# Altium PCB LOGI-BONE.PcbDoc (part 2 of 4) (continued)
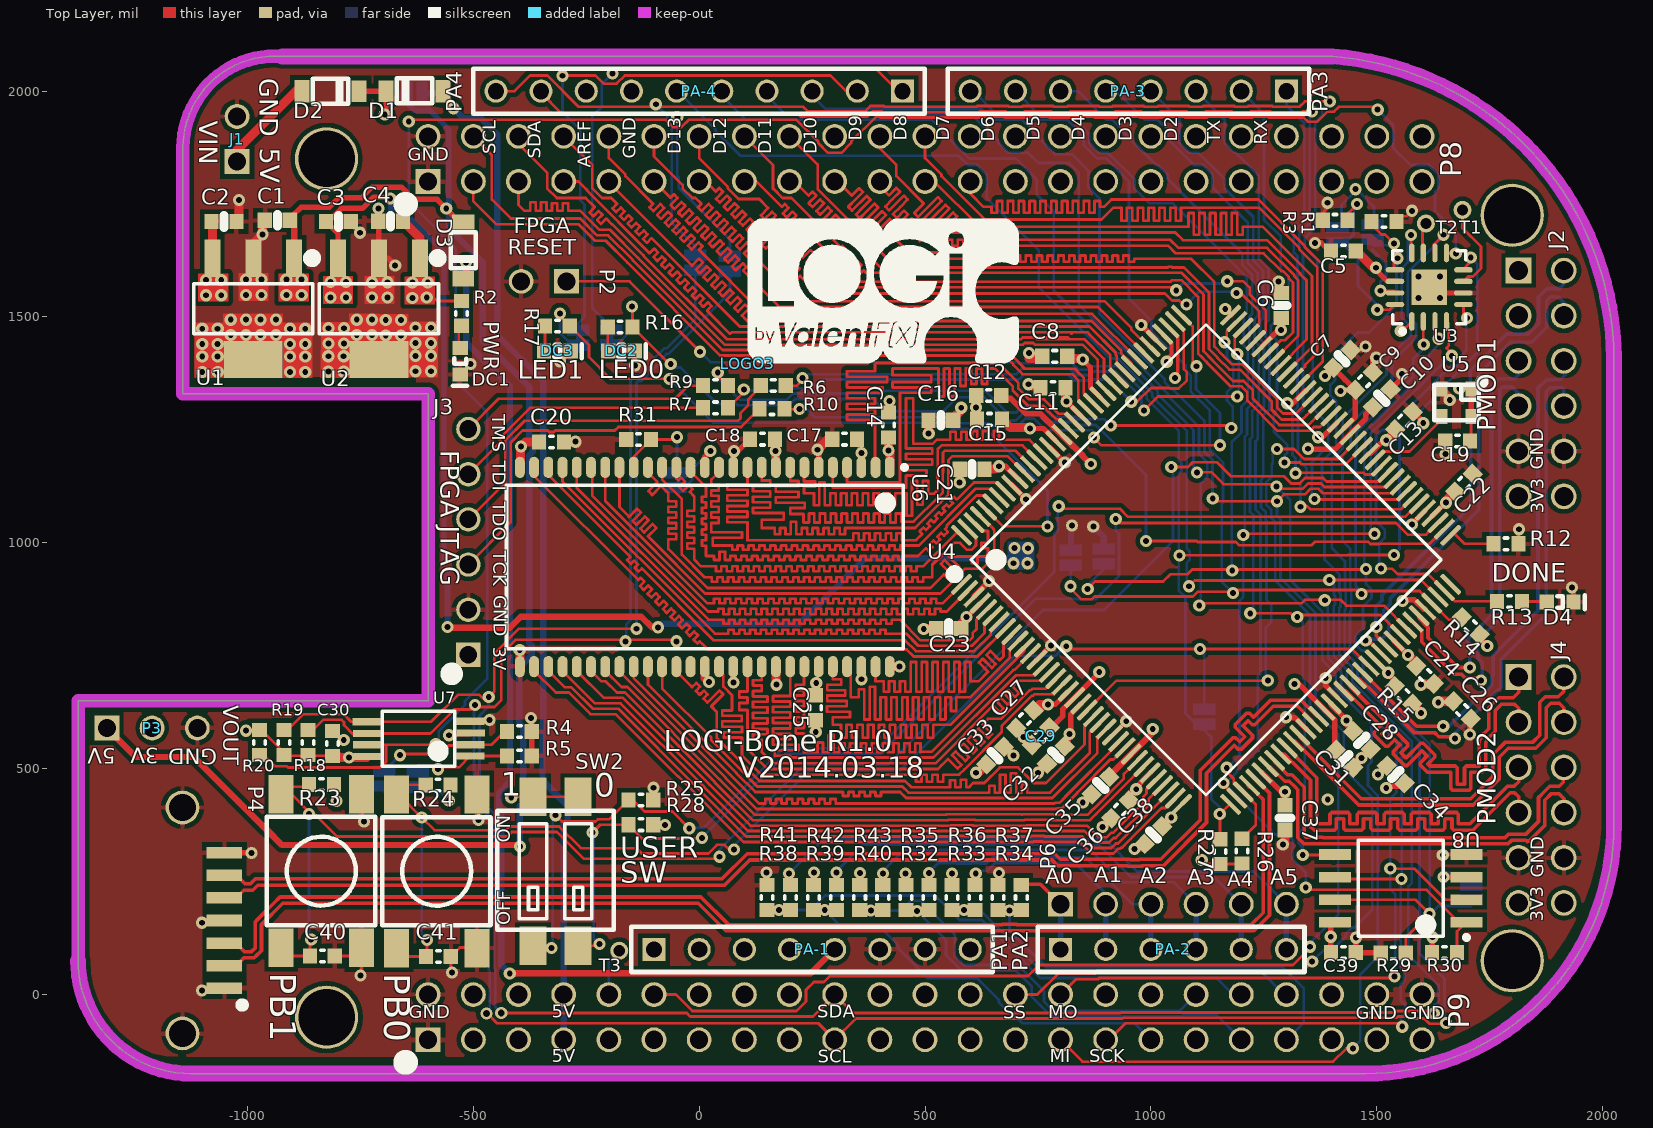
[diagram p0: Top Layer view]
## Nets (pads, with @x,y where several pads share a name; then routed paths per layer and width w, separated by ;. In a path a pad name is that pad's centre, name@x,y a point inside that pad or via, vN(x,y) a via of type N, cw(c..) or ccw(c..) an arc to the next point about the centre after c; other vN are vias at no path point) (continued)
GPMC_AD12: P8.12 U4.114 | length 2302.8
  Top Layer w6: P8.12@-100,1900 -100,1855.55 -36.5,1792.05 -36.5,1784.88 -15.12,1763.5 -7.95,1763.5 4.78,1750.77 -3,1742.99 5.48,1734.51 21.04,1750.06 29.52,1741.58 13.97,1726.02 22.45,1717.54 30.23,1725.32 38.01,1733.09 46.5,1724.61 38.72,1716.83 30.94,1709.05 39.42,1700.57 47.2,1708.35 54.98,1716.12 63.47,1707.64 47.91,1692.08 56.39,1683.6 71.95,1699.15 80.44,1690.67 72.66,1682.89 64.88,1675.11 73.37,1666.63 81.14,1674.4 88.92,1682.18 97.41,1673.7 89.63,1665.92 81.85,1658.14 90.34,1649.66 105.89,1665.21 114.38,1656.73 98.82,1641.17 107.31,1632.69 122.86,1648.24 131.35,1639.76 123.57,1631.98 115.79,1624.2 124.28,1615.71 132.06,1623.49 220.55,1535 ; 869.81,1535 220.55,1535 ; U4.114@998.24,1434.41 994.48,1434.41 956.21,1472.68 956.21,1476.44 897.65,1535 220.55,1535
GPMC_AD13: P8.11 U4.115 | length 3184.9
  Top Layer w6: P8.11@-100,1800 -63.97,1763.97 -56.2,1771.75 -47.71,1763.27 -63.27,1747.71 -54.78,1739.23 -39.23,1754.78 -30.74,1746.3 -46.3,1730.74 -37.81,1722.26 -30.03,1730.03 -22.26,1737.81 -13.77,1729.33 -21.55,1721.55 -29.33,1713.77 -20.84,1705.28 -13.06,1713.06 -5.28,1720.84 3.2,1712.36 -12.36,1696.8 -3.87,1688.31 11.69,1703.87 20.17,1695.39 12.39,1687.61 4.61,1679.83 13.1,1671.34 20.88,1679.12 28.66,1686.9 37.14,1678.41 29.36,1670.64 21.59,1662.86 30.07,1654.37 45.63,1669.93 54.11,1661.44 38.56,1645.89 47.04,1637.4 62.6,1652.96 71.08,1644.47 63.3,1636.7 55.53,1628.92 64.01,1620.43 71.79,1628.21 79.57,1635.99 88.05,1627.5 72.5,1611.95 80.98,1603.46 96.54,1619.02 105.02,1610.53 97.25,1602.75 178,1522 ; 854.97,1522 178,1522 ; 178,1522 882.81,1522 ; 178,1522 882.81,1522 ; 882.81,1522 U4.115@984.32,1420.49 882.81,1522
GPMC_AD14: P8.16 U4.93 | length 1739.4
  Top Layer w6: P8.16@100,1900 163.5,1836.5 163.5,1783.82 164.56,1782.77 165.61,1782.77 184.88,1763.5 203.92,1763.5 313.45,1653.97 316.99,1657.5 325.48,1649.02 321.94,1645.48 318.4,1641.95 326.89,1633.46 333.96,1640.53 342.45,1632.05 335.38,1624.98 343.86,1616.49 347.4,1620.03 350.93,1623.56 359.42,1615.08 355.88,1611.54 352.35,1608.01 360.83,1599.52 364.37,1603.06 369.69,1597.73 1068.24,1597.73 1116.5,1549.47 1116.5,1424.29 1135.5,1405.29 1135.5,1404.74 1181.74,1358.5 1205.29,1358.5 1225.5,1338.29 1225.5,1319.74 1284.24,1261 1348.38,1261 1382.6,1295.22 U4.93@1385.2,1295.22
GPMC_AD15: P8.15 U4.92 | length 1755.3
  Top Layer w6: P8.15@100,1800 127,1800 183.17,1743.83 189.53,1750.19 198.02,1741.71 191.66,1735.34 185.29,1728.98 193.78,1720.5 206.5,1733.22 214.99,1724.74 208.63,1718.37 202.26,1712.01 210.75,1703.52 217.11,1709.89 223.48,1716.25 231.96,1707.77 225.6,1701.4 219.23,1695.04 227.72,1686.55 234.08,1692.92 240.45,1699.28 248.93,1690.8 242.57,1684.43 349,1578 1043.18,1578 1046.68,1581.5 1067.5,1581.5 1104.5,1544.5 1104.5,1418.77 1109.77,1413.5 1110.32,1413.5 1123.5,1400.32 1123.5,1399.77 1176.77,1346.5 1200.32,1346.5 1213.5,1333.32 1213.5,1314.77 1280.27,1248 1352.35,1248 1360.68,1256.33 1374.15,1256.33 U4.92@1399.12,1281.3
GPMC_ADVN: P8.7 U4.119 | length 2489.1
  Top Layer w6: P8.7@-300,1800 -267,1800 -248.5,1781.5 -248.5,1779.91 -109.76,1641.17 -99.55,1651.37 -91.07,1642.89 -101.27,1632.68 -92.79,1624.2 -82.58,1634.4 -74.1,1625.92 -84.3,1615.71 -75.82,1607.23 -65.61,1617.43 -57.13,1608.95 -67.33,1598.74 -58.85,1590.26 -48.64,1600.46 -40.15,1591.98 -50.36,1581.77 -41.88,1573.29 -31.67,1583.49 -23.18,1575.01 -33.39,1564.8 -24.9,1556.32 -14.7,1566.52 -6.21,1558.04 -16.42,1547.83 -7.93,1539.34 2.27,1549.55 10.76,1541.07 0.55,1530.86 9.04,1522.37 19.24,1532.58 27.73,1524.09 17.52,1513.89 ; 824.62,1462.73 820.85,1466.5 72.44,1466.5 ; U4.119@928.64,1364.81 910.22,1383.24 910.22,1415.86 863.35,1462.73 859.58,1466.5 72.44,1466.5 ; 17.52,1513.89 68.68,1462.73 ; 17.52,1513.89 24.21,1507.21 68.68,1462.73 ; 68.68,1462.73 72.44,1466.5
GPMC_BE0N: P8.9 U4.117 | length 3710.9
  Top Layer w6: P8.9@-200,1800 -200,1797.86 -15.78,1613.64 -0.22,1629.19 8.27,1620.71 -7.29,1605.15 1.19,1596.67 16.75,1612.22 25.24,1603.74 9.68,1588.18 18.16,1579.7 33.72,1595.25 42.21,1586.77 26.65,1571.21 35.14,1562.73 50.69,1578.28 59.18,1569.8 43.62,1554.24 ; 830,1491.36 112.5,1491.36 ; 43.62,1554.24 52.11,1545.75 ; 43.62,1554.24 52.11,1545.75 ; 43.62,1554.24 52.11,1545.75 ; 52.11,1545.75 67.66,1561.31 ; 52.11,1545.75 67.66,1561.31 ; 52.11,1545.75 67.66,1561.31 ; 60.59,1537.27 69.08,1528.78 ; 60.59,1537.27 76.15,1552.83 ; 60.59,1537.27 76.15,1552.83 ; 60.59,1537.27 69.08,1528.78 ; 60.59,1537.27 76.15,1552.83 ; 60.59,1537.27 69.08,1528.78 ; 67.66,1561.31 76.15,1552.83 ; 67.66,1561.31 76.15,1552.83 ; 67.66,1561.31 76.15,1552.83 ; 69.08,1528.78 84.63,1544.34 ; 69.08,1528.78 84.63,1544.34 ; 69.08,1528.78 84.63,1544.34 ; 77.56,1520.3 86.05,1511.81 ; 77.56,1520.3 93.12,1535.86 ; 77.56,1520.3 93.12,1535.86 ; 77.56,1520.3 86.05,1511.81 ; 77.56,1520.3 93.12,1535.86 ; 77.56,1520.3 86.05,1511.81 ; 84.63,1544.34 93.12,1535.86 ; 84.63,1544.34 93.12,1535.86 ; 84.63,1544.34 93.12,1535.86 ; 86.05,1511.81 101.6,1527.37 ; 86.05,1511.81 101.6,1527.37 ; 86.05,1511.81 101.6,1527.37 ; 94.53,1503.33 106.5,1491.36 ; 94.53,1503.33 110.09,1518.88 ; 94.53,1503.33 110.09,1518.88 ; 94.53,1503.33 103.02,1494.84 ; 94.53,1503.33 110.09,1518.88 ; 94.53,1503.33 103.02,1494.84 ; 101.6,1527.37 110.09,1518.88 ; 101.6,1527.37 110.09,1518.88 ; 101.6,1527.37 110.09,1518.88 ; 103.02,1494.84 106.5,1491.36 ; 103.02,1494.84 106.5,1491.36 ; 106.5,1491.36 112.5,1491.36 ; 106.5,1491.36 112.5,1491.36 ; 106.5,1491.36 112.5,1491.36 ; 110,1491.36 112.5,1491.36 ; 110,1491.36 868.66,1491.36 ; 110,1491.36 868.66,1491.36 ; 868.66,1491.36 934.22,1425.8 ; 868.66,1491.36 934.22,1425.8 ; 934.22,1420.48 934.22,1425.8 ; 934.22,1420.48 U4.117@956.48,1398.22 ; 934.22,1420.48 934.22,1425.8 ; 934.22,1420.48 U4.117@956.48,1398.22 ; U4.117@956.48,1398.22 U4.117@956.48,1392.65 U4.117@956.48,1398.22
GPMC_BE1N: P9.12 U4.88 | length 2948.7
  Top Layer w6: P9.12@-100,0 -51.62,0 -15.12,-36.5 215.12,-36.5 236.5,-15.12 236.5,10.68 253.82,28 276.18,28 289.18,41 727.48,41 751.98,65.5 1314.29,65.5 1352,103.21 v2(1352,106) ; v2(1279,1208) 1316.51,1208 1338.68,1185.83 1415.01,1185.83 U4.88@1454.8,1225.62
  Bottom Layer w6: v2(1279,1208) 1279,1205.69 1269.23,1195.92 1269.83,1195.32 1269.83,1176.04 1267.5,1173.71 1267.5,1146.32 1255.5,1134.32 1255.5,1083.68 1266.5,1072.68 1266.5,1055.2 1275,1046.7 1275,917.24 1352.4,839.84 1352.4,701.77 1352.4,638.81 1415,576.21 1415,177 1388.68,150.68 1388.68,150.5 1352,113.82 v2(1352,106)
GPMC_CLK: P8.18 U4.95 | length 1889.4
  Top Layer w6: P8.18@200,1900 262.32,1837.68 262.32,1783.58 416.9,1629 675,1629 675,1636 687,1636 687,1622 699,1622 699,1636 711,1636 711,1622 723,1622 723,1636 735,1636 735,1622 747,1622 747,1636 759,1636 759,1622 771,1622 771,1636 783,1636 783,1622 795,1622 795,1636 807,1636 807,1622 819,1622 819,1636 831,1636 831,1622 843,1622 843,1636 855,1636 855,1622 867,1622 867,1636 879,1636 879,1622 891,1622 891,1636 903,1636 903,1622 915,1622 915,1636 927,1636 927,1622 939,1622 939,1636 951,1636 951,1622 963,1622 963,1629 1089,1629 1140.5,1577.5 1140.5,1434.23 1159.5,1415.23 1159.5,1414.68 1178.68,1395.5 1202.23,1395.5 1279.5,1318.23 1279.5,1299.68 1292.68,1286.5 1320.8,1286.5 U4.95@1357.36,1323.06
GPMC_CSN1: P8.21 U4.101 | length 1683.4
  Top Layer w6: P8.21@400,1800 400,1789.33 419.91,1769.42 436.17,1785.69 444.66,1777.2 428.39,1760.94 412.13,1744.67 420.62,1736.19 453.14,1768.72 461.63,1760.23 445.36,1743.97 429.1,1727.7 437.59,1719.22 453.85,1735.48 462.33,1727 446.07,1710.73 454.56,1702.25 470.82,1718.51 479.31,1710.03 463.04,1693.76 471.53,1685.28 487.79,1701.54 496.28,1693.06 480.01,1676.79 488.5,1668.31 504.76,1684.57 518.33,1671 536.33,1671 536.33,1657 548.33,1657 548.33,1671 560.33,1671 560.33,1657 572.33,1657 572.33,1671 584.33,1671 584.33,1657 596.33,1657 596.33,1671 608.33,1671 608.33,1657 620.33,1657 620.33,1671 632.33,1671 632.33,1657 644.33,1657 644.33,1671 1042.72,1671 1060.72,1653 1257.46,1653 1317.32,1593.15 1317.32,1590.29 1326.37,1581.24 1326.37,1458.93 1301.17,1433.73 1301.01,1433.73 U4.101@1273.84,1406.57
GPMC_OEN: P8.8 U4.118 | length 2423.8
  Top Layer w6: P8.8@-300,1900 -236.5,1836.5 -236.5,1784.88 -215.12,1763.5 -194.71,1763.5 -181.98,1750.77 -192.19,1740.57 -183.7,1732.08 -173.5,1742.29 -165.01,1733.8 -175.22,1723.6 -166.73,1715.11 -156.53,1725.32 -148.04,1716.83 -158.25,1706.63 -149.76,1698.14 -139.55,1708.35 -131.07,1699.86 -141.28,1689.65 -132.79,1681.17 -122.58,1691.38 -114.1,1682.89 -124.3,1672.68 -115.82,1664.2 -105.61,1674.4 89.79,1479 ; 825.32,1479 89.79,1479 ; 89.79,1479 864.05,1479 922.22,1420.83 922.22,1415.51 924.14,1413.59 ; 924.14,1413.59 924.14,1397.86 942.56,1379.44 U4.118@942.56,1378.73 924.14,1397.15 924.14,1413.59
GPMC_WE1N: P8.10 U4.116 | length 3235.3
  Top Layer w6: P8.10@-200,1900 -200,1851.62 -163.5,1815.12 -163.5,1811.88 -102.27,1750.65 -110.05,1742.88 -101.56,1734.39 -86.01,1749.95 -77.52,1741.46 -93.08,1725.9 -84.59,1717.42 -76.82,1725.2 -69.04,1732.98 -60.55,1724.49 -68.33,1716.71 -76.11,1708.93 -67.62,1700.45 -59.85,1708.23 -52.07,1716.01 -43.58,1707.52 -59.14,1691.96 -50.65,1683.48 -35.1,1699.03 -26.61,1690.55 -34.39,1682.77 -42.17,1674.99 -33.68,1666.51 -25.9,1674.29 -18.13,1682.06 -9.64,1673.58 -17.42,1665.8 -25.2,1658.02 -16.71,1649.54 -1.16,1665.09 7.33,1656.61 -0.45,1648.83 141.38,1507 ; 837,1507 141.38,1507 ; 141.38,1507 869.99,1507 ; 141.38,1507 869.99,1507 ; 869.99,1507 U4.116@970.4,1406.57 869.99,1507
LED0: JP12.1 R17.2 U4.140 | length 1589.4
  Top Layer w6: v2(-308,1508) -308,1501.56 R17.2@-286.44,1480 -244,1437.56 -244,1411 -196,1363 v2(-66,1363) ; U4.140@636.33,1072.51 672.35,1036.49 v2(771,1036.49)
  Bottom Layer w6: v2(-308,1508) -308,1465 JP12.1@-268,1425 ; v2(-66,1363) 31,1266 547.24,1266 560.74,1252.5 634.5,1252.5 771,1116 v2(771,1036.49)
LED1: JP9.1 R16.2 U4.74 | length 2314.9
  Top Layer w6: v2(-149,1523) -147.44,1521.44 R16.2@-147.44,1478 -65.44,1396 v2(-63,1396) ; v2(989,1004) 1101.81,1004 1103.82,1001.99 1188.19,1001.99 1195.18,995 1356,995 1363.5,1002.5 1480.68,1002.5 1485.68,997.5 1504.32,997.5 1504.82,998 1616.92,998 U4.74@1649.67,1030.75
  Bottom Layer w6: JP9.1@-195,1426 -148,1473 -148,1522 v2(-149,1523) ; v2(-63,1396) -55,1388 -41,1388 39,1308 81.41,1308 84.52,1304.89 199.07,1304.89 212.68,1318.5 384.68,1318.5 411.68,1291.5 540.68,1291.5 571.68,1322.5 630.5,1322.5 682,1271 701.21,1271 717.71,1287.5 746.29,1287.5 766.41,1267.38 826.8,1267.38 833.18,1261 877.82,1261 894.64,1244.18 895,1244.18 989,1150.18 v2(989,1004)
NetD2_2: D2.2 J1.1 | length 209.9
  Top Layer w20: J1.1@-1023,1844 -1023,1869.99 D2.2@-892.99,2000
NetD3_1: D3.1 PA-1.A5 | length 2419.4
  Top Layer w14: D3.1@-522,1584.73 -516,1590.73 v2(-516,1621) ; v2(-419.5,47) 247,47 PA-1.A5@300,100
  Bottom Layer w14: v2(-516,1621) -516,1443.48 -419,1346.48 -419,1226.09 -421.11,1223.98 -421.11,1202.02 -419,1199.91 -419,778.54 -423.87,773.68 -423.87,751.72 -419,746.86 -419,470.48 -442.5,446.98 -442.5,411.89 -437.9,407.3 -437.9,65.4 v2(-419.5,47)
NetD4_A: D4.A R13.2 | length 55.3
  Top Layer w6: R13.2@1821.56,870 1875.47,870 D4.A@1876.47,869
NetDC1_A: DC1.A R2.2 | length 49.3
  Top Layer w6: DC1.A@-533,1431.53 -532,1432.53 R2.2@-532,1480.44
NetDC2_A: DC2.A R16.1 | length 53.4
  Top Layer w6: R16.1@-202.56,1478 -202.56,1426.03 DC2.A@-201.53,1425
NetDC3_A: DC3.A R17.1 | length 55.8
  Top Layer w6: DC3.A@-343.53,1425 -341.56,1426.97 R17.1@-341.56,1480
NetJ3_3: J3.3 R10.1 | length 893.3
  Top Layer w6: J3.3@-511,952 -417.11,1045.89 -417.11,1222.32 -390.7,1248.73 -335.08,1248.73 -331.97,1245.62 -322.03,1245.62 -318.92,1248.73 -186.86,1248.73 -179.09,1256.5 92.94,1256.5 R10.1@133.44,1297
NetJ3_4: J3.4 R6.1 | length 852.5
  Top Layer w6: J3.4@-511,1052 -429.11,1133.89 -429.11,1227.29 -386.14,1270.27 86.04,1270.27 91.31,1275.54 91.31,1287.61 108.69,1305 108.69,1317.46 113.96,1322.73 136.44,1345.21 R6.1@136.44,1348 ; R6.1@128.84,1343.4 130.34,1341.9 R6.1@134.44,1337.79 ; R6.1@131.62,1350 R6.1@135.44,1350
NetJ3_5: J3.5 R7.1 | length 586.4
  Top Layer w6: J3.5@-511,1152 -441.11,1221.89 -441.11,1232.26 -374.37,1299 R7.1@8.44,1299
NetJ3_6: J3.6 R9.1 | length 583.2
  Top Layer w6: J3.6@-522,1245 J3.6@-505,1228 ; J3.6@-511,1252 -444,1319 -53,1319 -24,1348 R9.1@8.44,1348
NetJP1_1: JP1.1 R1.1 U3.15 | length 274.3
  Top Layer w6: R1.1@1489.44,1718 1489.44,1703.56 1510.22,1682.78 1518.22,1682.78 v2(1538,1663) ; v1(1508,1558) 1537,1558 U3.15@1542,1553
  Bottom Layer w6: JP1.1@1490,1650 1490,1648.82 1520.5,1618.32 1520.5,1590.5 1508,1578 v1(1508,1558) ; JP1.1@1491,1659 1534,1659 v2(1538,1663)
NetJP2_1: JP2.1 R3.1 U3.16 | length 371.1
  Top Layer w6: R3.1@1424.56,1718 1456,1749.44 v1(1456,1750) ; v1(1501,1516) 1528,1516 U3.16@1540,1528
  Bottom Layer w6: JP2.1@1422,1660.93 JP2.1@1425.57,1660.93 ; v1(1456,1750) 1449,1743 1449,1683.12 1426.81,1660.93 JP2.1@1425.57,1660.93 ; v1(1501,1516) 1501,1526.18 1458.5,1568.68 1458.5,1628 JP2.1@1425.57,1660.93
NetJP7_2: JP7.2 R31.2 U6.19 | length 204.6
  Top Layer w6: U6.19@-145.01,1167.02 -145.01,1190.26 R31.2@-106.44,1228.83 -54.17,1228.83 v2(-49,1234)
  Bottom Layer w6: JP7.2@-52,1168 -49,1171 v2(-49,1234)
NetJP9_2: JP9.2 PA-4.D1 | length 1249.7
  Top Layer w6: v2(-192,2039) -183.5,2047.5 392.5,2047.5 PA-4.D1@440,2000
  Bottom Layer w6: JP9.2@-195,1484 -201,1484 -237,1520 -237,1944 -215.5,1965.5 -215.5,2015.5 v2(-192,2039)
NetJP12_2: JP12.2 PA-4.D2 | length 1268.4
  Top Layer w6: v2(-302.49,2034) -301.99,2034.5 -229.47,2034.5 -211.47,2016.5 -182.68,2016.5 -164.68,2034.5 290.5,2034.5 325,2000 PA-4.D2@340,2000
  Bottom Layer w6: v2(-302.49,2034) -302.49,1954.11 -263.5,1915.12 -263.5,1758.63 -254,1749.13 -254,1500 JP12.2@-284,1470
NetP6_1: P6.1 PA-2.B1 R34.2 | length 205.5
  Top Layer w8: R34.2@713,244.56 755.44,244.56 P6.1@800,200
  Bottom Layer w12: PA-2.B1@800,100 P6.1@800,200
NetP6_2: P6.2 PA-2.B2 R33.2 | length 475.5
  Top Layer w6: R33.2@610.82,242.56 612.15,243.9 v2(612.15,268)
  Bottom Layer w6: v2(612.15,268) 618.15,274 637,274 654.5,291.5 832.5,291.5 900,224 P6.2@900,200
  Bottom Layer w12: PA-2.B2@900,100 P6.2@900,200
NetP6_3: P6.3 PA-2.B3 R32.2 | length 650.5
  Bottom Layer w6: v2(508.64,269) 508.64,271 528.14,290.5 569.05,290.5 569.55,290 602.33,290 602.83,290.5 621.47,290.5 621.97,290 636.03,290 649.53,303.5 855.5,303.5 959,200 P6.3@1000,200
  Bottom Layer w12: PA-2.B3@1000,100 P6.3@1000,200
NetP6_4: P6.4 PA-2.B4 R40.2 | length 867.7
  Bottom Layer w6: v2(407,268) 407,273.92 453.08,320 866,320 937.5,248.5 1051.5,248.5 P6.4@1100,200
  Bottom Layer w12: PA-2.B4@1100,100 P6.4@1100,200
NetP6_5: P6.5 PA-2.B5 R39.2 | length 1078.1
  Bottom Layer w6: v2(304,270) 304,273 363,332 884,332 955.5,260.5 1139.5,260.5 P6.5@1200,200
  Bottom Layer w12: PA-2.B5@1200,100 P6.5@1200,200
NetP6_6: P6.6 PA-2.B6 R38.2 | length 1292.1
  Bottom Layer w6: v2(199,268) 275,344 898,344 969.5,272.5 1227.5,272.5 P6.6@1300,200
  Bottom Layer w12: PA-2.B6@1300,100 P6.6@1300,200
NetP9_10: P9.10 T3.1 | length 106.5
  Bottom Layer w6: P9.10@-200,0 -200,74 T3.1@-177,97
NetPA-3_C2: PA-3.C2 U4.87 | length 1097.4
  Top Layer w6: v2(1296,1178) 1329.54,1178 ; 1328.29,1179.26 1329.54,1178 ; U4.87@1468.72,1211.7 1430.85,1173.83 1333.71,1173.83 1329.54,1178
  Bottom Layer w6: PA-3.C2@1200,2000 1250.5,1949.5 1250.5,1715 1287.5,1678 1287.5,1605.99 1305.32,1588.18 1305.32,1520.32 1271.5,1486.5 ; 1271.59,1486.41 1265.5,1480.32 1265.5,1461.68 1280,1447.18 1280,1409 ; 1279,1409 1279,1295.33 1272,1288.33 1272,1246.82 1301.5,1217.32 1301.5,1198.68 1296,1193.18 v2(1296,1178)
NetR12_2: R12.2 U4.73 | length 123.7
  Top Layer w6: U4.73@1674.97,1028.21 U4.73@1663.59,1016.83 1669.28,1022.52 1693.8,998 R12.2@1758.64,998
NetT1_1: T1.1 U3.7 | length 197.1
  Top Layer w6: T1.1@1689.79,1737 1689.79,1696.54 1730.5,1655.82 1730.5,1607.26 1712.73,1589.48 1702.47,1589.48 U3.7@1691.79,1578.8
NetT2_1: T2.1 U3.11 | length 60.8
  Top Layer w6: U3.11@1601.2,1641.79 T2.1@1601.2,1702.59
OSC_FPGA: U4.85 U5.3 | length 190.7
  Top Layer w6: U4.85@1496.55,1183.86 1514.97,1202.28 1572.1,1202.28 1644.04,1274.22 U5.3@1644.04,1280.01
PB0: C40.1 PB1.B R23.2 U4.83 | length 3446.8
  Top Layer w6: PB1.B@-925.4,443.32 -908.43,460.28 R23.2@-865.52,460.28 ; PB1.B@-912.73,453.73 -859,400 -852,400 -802,350 -425,350 -415,360 -314.94,360 -255.44,300.5 40.5,300.5 v2(45,305) ; PB1.B@-905.15,85.32 C40.1@-861.71,85.32 v1@-861.71,118.29 ; v2(1045,1168) 1082.18,1168 1092.68,1178.5 1146.2,1178.5 1177.2,1147.5 1294.68,1147.5 1310.68,1131.5 1329.32,1131.5 1341.32,1143.5 1381.26,1143.5 1388.76,1136 1504.37,1136 U4.83@1524.39,1156.02
  Bottom Layer w6: v1(-864,400) -864,126 v1@-859,121 ; v2(45,305) 44,306 44,320 233,509 418.18,509 760.65,851.47 896.05,851.47 1049,1004.42 1049,1168 v2(1045,1168)
  other v1: -859,122
PB1: C41.1 JP5.1 PB0.B R24.2 U4.59 | length 3009.3
  Top Layer w6: PB0.B@-666.4,104.38 -646.4,84.38 C41.1@-604.96,84.38 -602.69,86.64 v1(-602.69,121) ; PB0.B@-666.4,443.32 PB0.B@-665.87,443.85 ; R24.2@-605.49,464.38 -645.34,464.38 PB0.B@-665.87,443.85 ; v2(77,321) 66.5,321 56,331.5 39.29,331.5 20.29,312.5 -127.1,312.5 -138.62,324.01 -261.99,324.01 -309.97,372 -419.97,372 -428.09,363.88 -585.9,363.88 v1(-614.27,392.25) PB0.B@-665.87,443.85 ; v2(812.45,771) 818.45,765 v2(1109,765) 1444.94,765 U4.59@1482.64,727.3
  Bottom Layer w6: v1(-614.27,392.25) -614.27,132.57 v1(-602.69,121) ; v2(77,321) 77,330 243,496 444.23,496 698.27,750.05 788.34,750.05 809.29,771 v2(812.45,771) ; v2(1109,765) 1118,756 JP5.1@1118,644
PMOD1_1_2_LVDS8_N: J2.2 U4.111 | length 1150.3
  Top Layer w8: U4.111@1045.62,1469.43 1059.5,1455.55 1059.5,1377.5 1054,1372 1057,1369 v2@1052,1364
  VDD w8: v2@1052,1364 1057,1369 1054,1372 1059.31,1372 1082.81,1348.5 1117.19,1348.5 1123.57,1354.88 1339.34,1354.88 1361.7,1377.24 1361.7,1378.91 1375.47,1392.68 1394.93,1392.68 1428.11,1359.5 1429.48,1359.5 1436.67,1352.31 1500,1352.31 1516.19,1368.5 1517.27,1368.5 1546.27,1397.5 1598.35,1397.5 1641.35,1354.5 1662.13,1354.5 1672.81,1365.18 1692.28,1365.18 1696.8,1360.66 1704.65,1368.5 1705.96,1368.5 1754,1416.54 1754,1528 1767,1541 1806.23,1541 1814,1533.23 J2.2@1814,1502.81
  other v2: 1053,1365
PMOD1_1_2_LVDS8_P: J2.1 U4.112 | length 1118.1
  Top Layer w8: U4.112@1026.08,1462.25 1045.5,1442.83 1045.5,1417.37 1035,1406.87 v2(1035,1401)
  VDD w8: v2(1035,1401) 1043.5,1392.5 1064.39,1392.5 1080.5,1376.39 1080.5,1376.27 1090.27,1366.5 1109.73,1366.5 1116.12,1372.88 1330.21,1372.88 1368.01,1410.68 1402.39,1410.68 1410.57,1402.5 1411.94,1402.5 1444.13,1370.31 1492.54,1370.31 1521.92,1399.69 1523,1399.69 1538.81,1415.5 1605.81,1415.5 1648.81,1372.5 1654.67,1372.5 1665.35,1383.18 1693.87,1383.18 1697.19,1386.5 1698.5,1386.5 1736,1424 1736,1535.46 1759.54,1559 1802.44,1559 1814,1570.56 J2.1@1814,1602.81
PMOD1_3_4_LVDS7_N: J2.4 U4.66 | length 962.2
  Top Layer w8: U4.66@1580.07,824.74 1599.49,805.32 1599.49,780.99 1671.74,708.74 1688.02,708.74 1696.27,700.5 1725.5,700.5 v2@1728,698
  Bottom Layer w8: v2@1728,698 1733.5,703.5 1733.5,735.39 1724,744.89 1724,758.93 1721.16,761.77 1721.16,781.23 1772,832.07 1772,1338.54 1778.46,1345 1799.75,1345 1814,1330.75 J2.4@1814,1302.81
  other v2: 1731,695
PMOD1_3_4_LVDS7_P: J2.3 U4.67 | length 922.4
  Top Layer w8: U4.67@1593.99,838.66 1593.99,831.92 1613.49,812.42 1613.49,790.01 1679.5,724 v2(1706,724)
  Bottom Layer w8: v2(1706,724) 1706,751.47 1703.16,754.31 1703.16,788.69 1754,839.53 1754,1346 1771,1363 1805,1363 1814,1372 J2.3@1814,1402.81
PMOD1_7_8_LVDS1_A_N: J2.8 U4.61 | length 1112.2
  Top Layer w8: v2(1475.39,784.06) 1474.17,784.06 1472,786.24 1479.38,786.24 U4.61@1510.47,755.14
  Bottom Layer w8: v2(1475.39,784.06) 1477.83,786.5 1510.39,786.5 1526.5,802.61 1526.5,825.39 1515.32,836.57 1515.32,850.66 1529.5,864.84 1529.5,877.04 1726,1073.54 1726,1305.09 1734.72,1313.81 1734.72,1348.19 1727,1355.91 1727,1375.74 1795.51,1444.25 1842.83,1444.25 1876,1477.42 1876,1535.95 1885.05,1545 1901,1545 1914,1532 J2.8@1914,1502.81
PMOD1_7_8_LVDS1_A_P: J2.7 U4.62 | length 1071.6
  Top Layer w8: v2(1499,814) 1499,813.01 1498.89,812.89 1498.89,794.57 U4.62@1524.39,769.06
  Bottom Layer w8: v2@1498.89,814 1498.89,812.89 1499,813.01 v2(1499,814) 1497.32,815.68 1497.32,858.12 1511.5,872.3 1511.5,884.5 1708,1081 1708,1312.54 1716.72,1321.27 1716.72,1340.73 1706.88,1350.57 1706.88,1379.94 1709,1382.06 1709,1383.2 1788.06,1462.25 1835.38,1462.25 1858,1484.87 1858,1543.41 1877.59,1563 1904.53,1563 1913,1571.47 1913,1601.81 J2.7@1914,1602.81
PMOD1_9_10_LVDS2_B_N: J2.10 U4.57 | length 1206
  Top Layer w8: U4.57@1454.8,699.47 1461.53,699.47 1480.95,680.05 1482.26,680.05 1582.3,580 1627.77,580 1637.27,570.5 1669.5,570.5 v2(1673,567)
  Bottom Layer w8: v2(1673,567) 1673,578.31 1775.5,680.81 1775.5,742.5 1875,842 1875,1335.29 1883.08,1343.37 1899.37,1343.37 1899.74,1343 1911,1343 1914,1340 J2.10@1914,1302.81
PMOD1_9_10_LVDS2_B_P: J2.9 U4.58 | length 1145.1
  Top Layer w8: U4.58@1468.72,713.39 1588.1,594 v2(1647,594)
  Bottom Layer w8: v2(1647,594) 1660.09,594 1737.59,671.5 1740.73,671.5 1754.5,685.27 1754.5,703.96 1757.5,706.96 1757.5,749.96 1857,849.46 1857,1342.75 1875.63,1361.37 1891.92,1361.37 1892.54,1362 1907,1362 1917,1372
PMOD2_1_2_LVDS6_N: J4.2 U4.55 | length 835.2
  Top Layer w8: U4.55@1426.96,671.63 1432.61,671.63 1508.87,595.37 1494.09,580.59 1494.09,574.79 1519.4,549.48 1525.2,549.48 1539.98,564.26 1551.29,552.94 1536.52,538.16 1536.52,532.37 1561.83,507.05 1567.63,507.05 1600.08,539.51 1611.4,528.19 1596.62,513.42 1596.62,507.62 1612.24,492 1664.14,492 1664.14,456.1 1668.24,452 1704.04,452 1708.14,456.1 1708.14,492 1732.8,492 1741,500.2 1741,557.97 1743.5,560.47 1743.5,564.5 1762,583 1762,629 1776,643 1805,643 1814,634 J4.2@1814,602.81
PMOD2_1_2_LVDS6_P: J4.1 U4.56 | length 826.6
  Top Layer w8: U4.56@1440.88,685.55 1440.88,683.16 1525.77,598.27 1525.77,592.47 1510.99,577.69 1522.3,566.38 1537.08,581.16 1542.88,581.16 1568.19,555.84 1568.19,550.04 1553.42,535.27 1564.73,523.95 1597.19,556.41 1602.98,556.41 1628.3,531.09 1628.3,525.29 1613.52,510.52 1618.04,506 1674.04,506 1678.14,501.9 1678.14,466 1694.14,466 1694.14,501.9 1698.24,506 1727,506 1727,563.77 1729.5,566.27 1729.5,570.3 1748,588.8 1748,634.8 1770.2,657 1802,657 1814,669 J4.1@1814,702.81
PMOD2_3_4_LVDS5_N: J4.4 U4.45 | length 955
  Top Layer w8: U4.45@1287.76,532.43 1294.5,532.43 1313.92,513.01 1314.54,513.01 1353.35,474.2 1353.35,372.2 1361.55,364 1406.4,364 1410.5,368.1 1410.5,389 1426.5,389 1426.5,368.1 1430.6,364 1466.4,364 1470.5,368.1 1470.5,389 1486.5,389 1486.5,368.1 1490.6,364 1526.4,364 1530.5,368.1 1530.5,389 1546.5,389 1546.5,368.1 1550.6,364 1586.4,364 1590.5,368.1 1590.5,389 1606.5,389 1606.5,368.1 1610.6,364 1646.4,364 1650.5,368.1 1650.5,389 1666.5,389 1666.5,368.1 1670.6,364 1712.15,364 1795.15,447 1804.94,447 1814,437.94 J4.4@1814,402.81
PMOD2_3_4_LVDS5_P: J4.3 U4.46 | length 938.5
  Top Layer w8: U4.46@1301.68,546.35 1301.68,545.66 1324.44,522.91 1367.35,480 1367.35,378 1396.5,378 1396.5,398.9 1400.6,403 1436.4,403 1440.5,398.9 1440.5,378 1456.5,378 1456.5,398.9 1460.6,403 1496.4,403 1500.5,398.9 1500.5,378 1516.5,378 1516.5,398.9 1520.6,403 1556.4,403 1560.5,398.9 1560.5,378 1576.5,378 1576.5,398.9 1580.6,403 1616.4,403 1620.5,398.9 1620.5,378 1636.5,378 1636.5,398.9 1640.6,403 1676.4,403 1680.5,398.9 1680.5,378 1706.36,378 1789.36,461 1804,461 1814,471 J4.3@1814,502.81
PMOD2_7_8_LVDS3_A_N: J4.8 U4.47 | length 853.5
  Top Layer w8: U4.47@1315.6,560.27 1319.62,560.27 1460.13,419.76 1505.21,419.76 1505.47,419.5 1536.53,419.5 1536.79,419.76 1713.56,419.76 1771,477.2 1771,525.2 1790.8,545 1851.61,545 1870.9,564.29 1875,568.39 1875,635 1885,645 1903.87,645 1914,634.87 J4.8@1914,602.81
PMOD2_7_8_LVDS3_A_P: J4.7 U4.48 | length 846.1
  Top Layer w8: U4.48@1329.52,574.19 1329.52,570.17 1465.93,433.76 1511.01,433.76 1511.27,433.5 1530.73,433.5 1530.99,433.76 1707.76,433.76 1757,483 1757,531 1785,559 1845.81,559 1861,574.19 1861,647 1873,659 1902,659 1914,671 J4.7@1914,702.81